# Altium PCB Thunderscope_Rev5.PCBDOC (part 2 of 7) (continued)
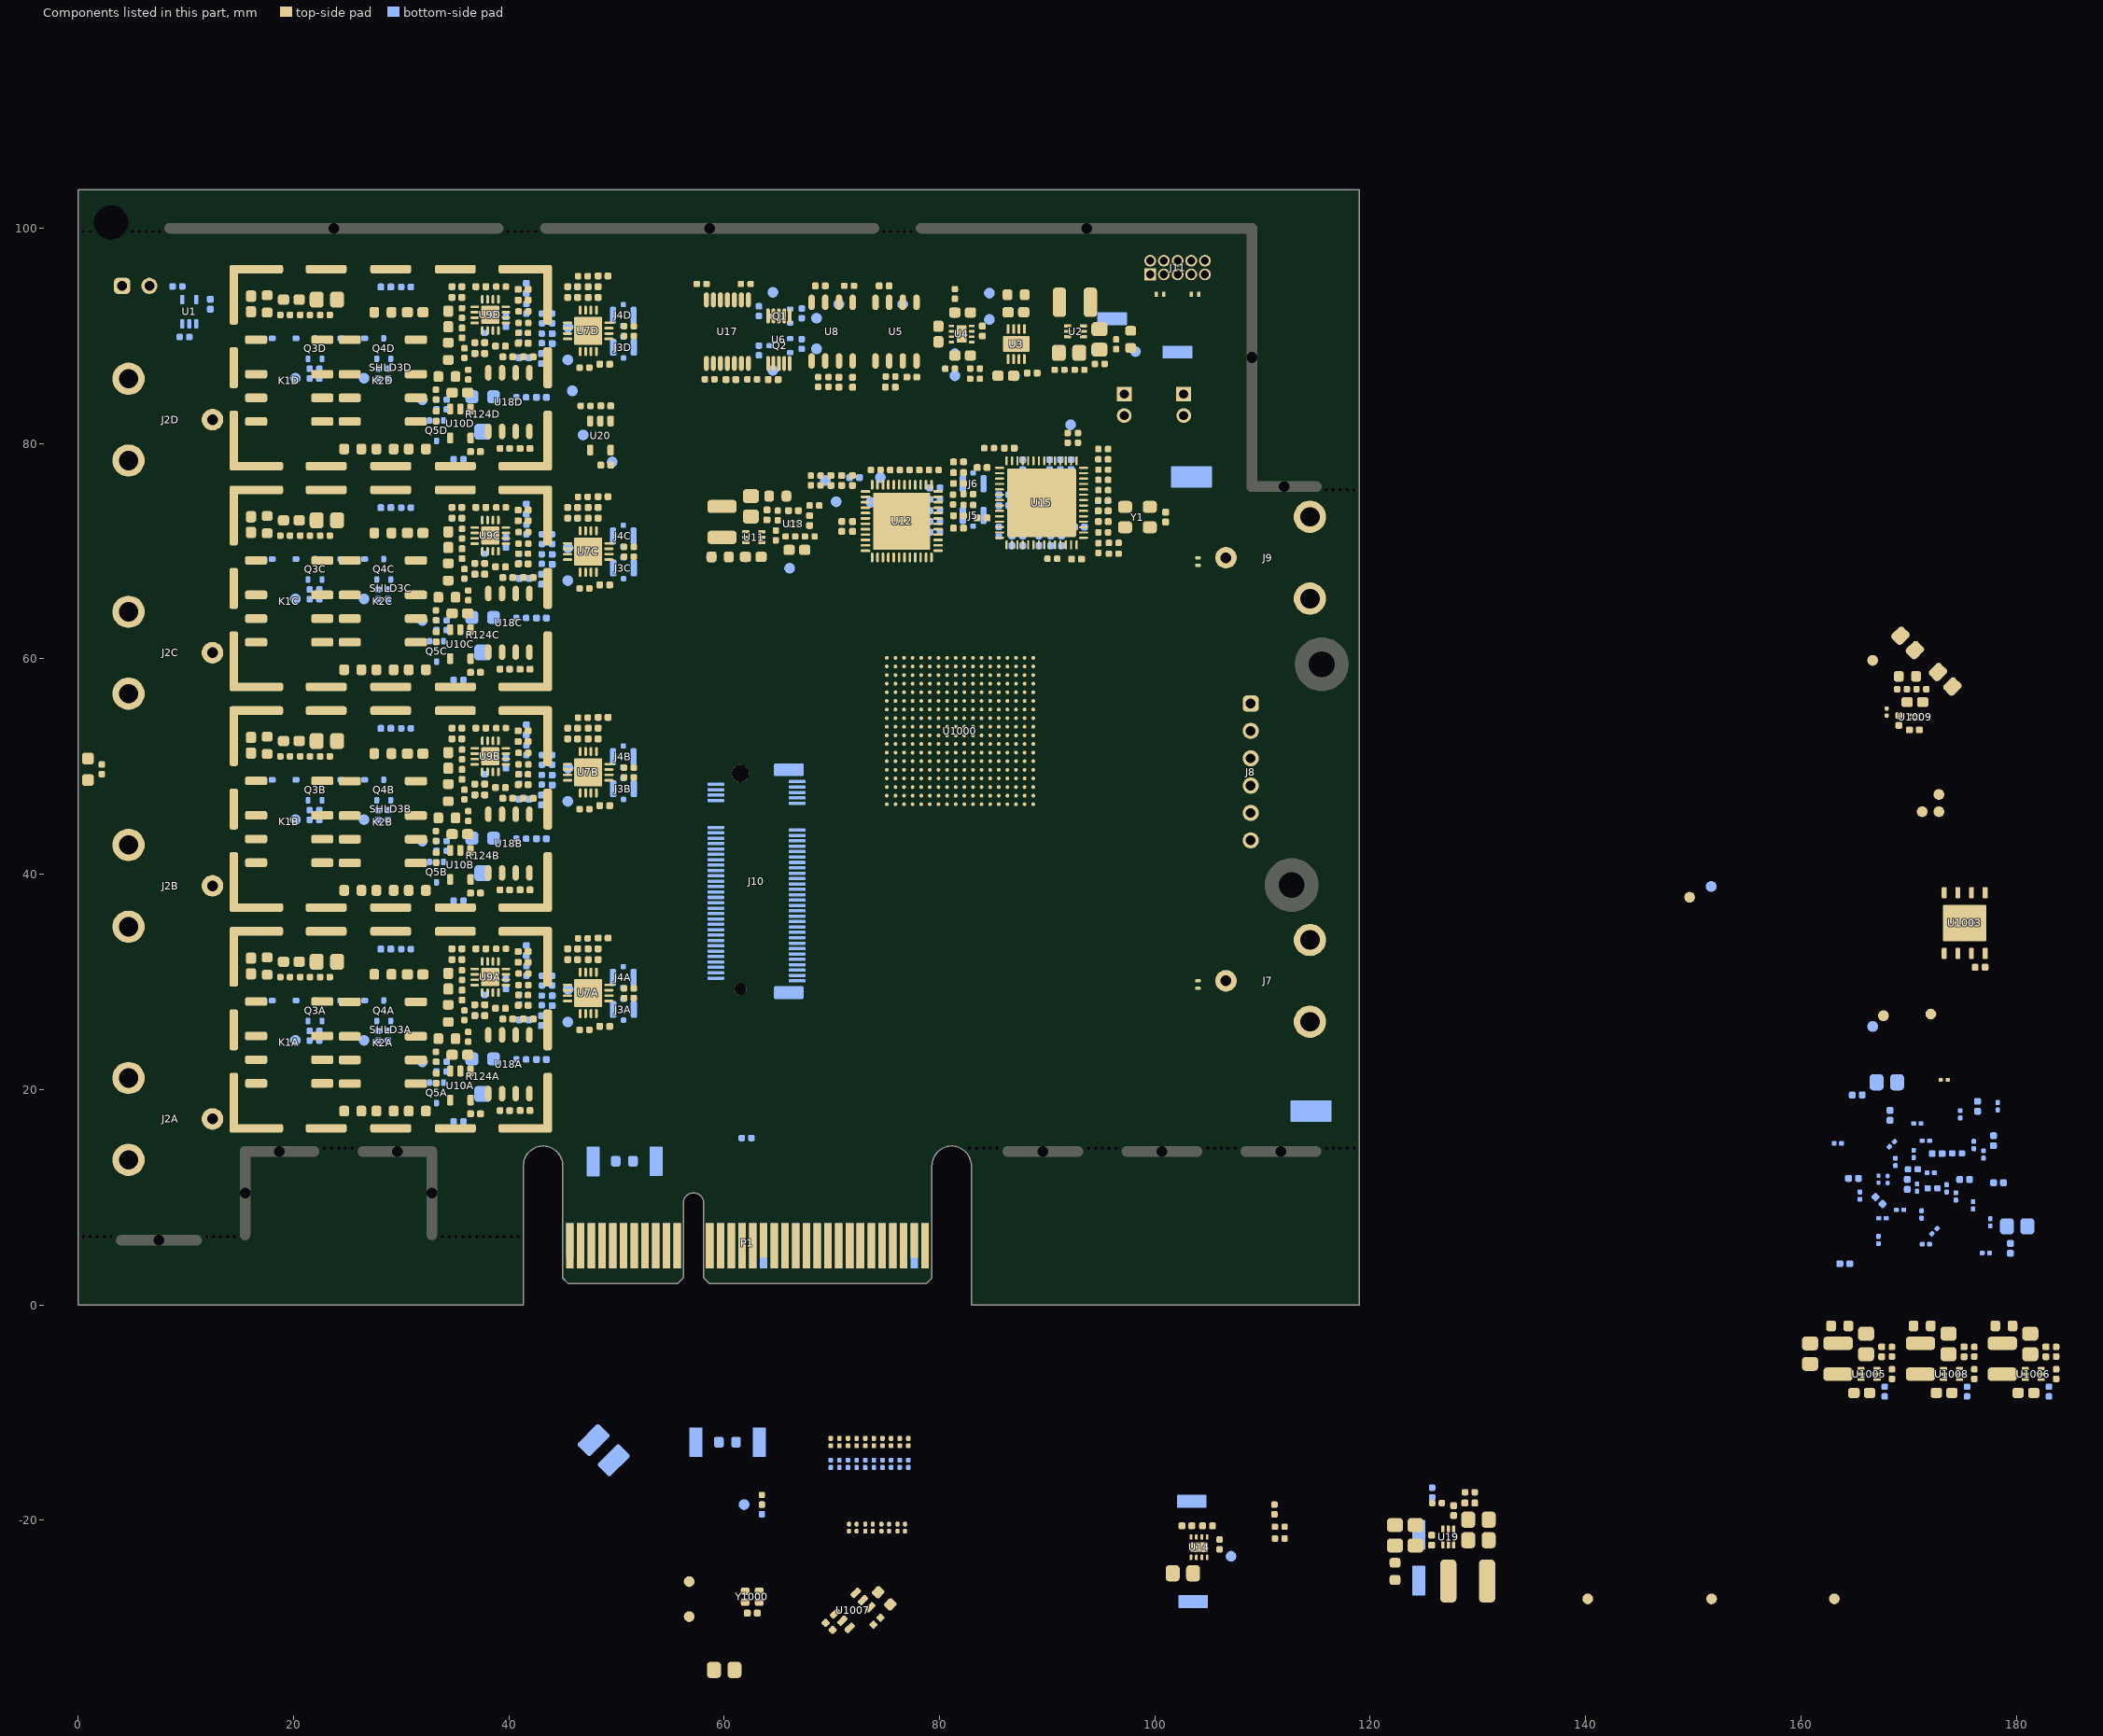
[diagram p6: the components of this part, seen from the top]
## Footprints (in the part's own frame and the unit in brackets; to place one, negate y for a bottom-side part, rotate by r counter-clockwise, add the part's x,y. Pads: shape width x height; smd on the part's side, far side on the other; paste and mask are expansions set on the pad) (continued)
  silkscreen extent -2.54,-1.27 2.54,1.27, body extent -11.18,-1.27 1.58,1.27, height 5.54
GEN_2.54MM_6_PIN_TH_RA [mm]
  rrect50% 1.5x1.5 hole 0.9: 1(-6.35,0)
  round 1.5 hole 0.9: 2(-3.81,0) 3(-1.27,0) 4(1.27,0) 5(3.81,0) 6(6.35,0)
  silkscreen extent -7.62,-1.27 7.62,1.27, body extent -7.62,-0.3 7.62,10.06, height 2.54
GEN_C_0201 [mm] "Chip Capacitor, 2-Leads, Body 0.60x0.30mm, IPC Medium Density"
  rrect50% 0.46x0.42 smd: 1(-0.34,0) 2(0.34,0)
  silkscreen extent -0.75,-0.4 0.75,0.4, body extent -0.32,-0.17 0.32,0.17, height 0.33
GEN_C_0402 [mm] "Chip Capacitor, 0402, IPC Medium Density"
  rrect50% 0.64x0.64 smd: 1(-0.46,0) 2(0.46,0)
  silkscreen extent -0.95,-0.5 0.95,0.5, body extent -0.55,-0.3 0.55,0.3, height 0.6
GEN_C_0603 [mm] "Chip Capacitor, 2-Leads, Body 1.60x0.80mm, IPC Medium Density"
  rrect50% 1.05x0.95 smd: 1(-0.725,0) 2(0.725,0)
  silkscreen extent -1.5,-0.75 1.5,0.75, body extent -0.85,-0.45 0.85,0.45, height 0.9
GEN_C_0805 [mm] "Chip Capacitor, 2-Leads, Body 2.00x1.25mm, IPC Medium Density"
  rrect50% 1.3x1.5 smd: 1(-0.95,0) 2(0.95,0)
  silkscreen extent -1.8,-0.95 1.8,0.95, body extent -1.1,-0.72 1.1,0.72, height 1.45
GEN_C_1210 [mm] "Chip Capacitor, 2-Leads, Body 3.20x2.50mm, IPC Medium Density"
  rrect25% 1.65x2.8 smd: 1(-1.325,0) 2(1.325,0)
  silkscreen extent -2.4,-1.65 2.4,1.65, body extent -1.8,-1.4 1.8,1.4, height 2.8
GEN_FID [mm]
  round 1 smd paste-1 mask+0.5: 1(0,0)
GEN_L_1210 [mm] "Chip Inductor, 2-Leads, Body 3.20x2.50mm, IPC Medium Density"
  rrect50% 1.23x2.72 smd: 1(-1.435,0) 2(1.435,0)
  silkscreen extent -2.3,-1.65 2.3,1.65, body extent -1.7,-1.35 1.7,1.35, height 1.2
GEN_R_0201 [mm] "Chip Resistor, 2-Leads, Body 0.60x0.30mm, IPC Medium Density"
  rrect50% 0.4x0.35 smd: 1(-0.325,0) 2(0.325,0)
  silkscreen extent -0.7,-0.35 0.7,0.35, body extent -0.32,-0.17 0.32,0.17, height 0.26
GEN_R_0402 [mm] "Chip Resistor, 2-Leads, Body 1.00x0.50mm, IPC Medium Density"
  rrect50% 0.6x0.6 smd: 1(-0.45,0) 2(0.45,0)
  silkscreen extent -0.92,-0.48 0.92,0.48, body extent -0.55,-0.3 0.55,0.3, height 0.4
GEN_R_0603 [mm]
  rrect50% 0.9x1 smd: 1(-0.8,0) 2(0.8,0)
  silkscreen extent -1.5,-0.75 1.5,0.75, body extent -0.9,-0.5 0.9,0.5, height 0.6
GEN_SC-70-5 [mm] "SOT23, 5-Leads, Body 2.00x2.10mm, Pitch 0.65mm, IPC Medium Density"
  rrect50% 0.85x0.4 smd: 1(-1.125,0.65) 2(-1.125,0) 3(-1.125,-0.65) 4(1.125,-0.65) 5(1.125,0.65)
  silkscreen extent -1.25,-1.1 0.3,1.53, body extent -1.2,-1.07 1.2,1.07, height 1.1
GEN_SOD_323 [mm]
  rrect50% 0.65x0.5 smd: 1(-1.1,0) 2(1.1,0)
  silkscreen extent -0.9,-0.65 0.9,0.65, body extent -1.26,-0.65 1.26,0.65, height 1.1
GEN_SOT23_5_950_2900X1600X1450 [mm] "SOT23, 5-Leads, Body 2.90x2.80mm, Pitch 0.95mm, IPC Medium Density"
  rrect50% 1x0.6 smd: 1(-1.35,0.95) 2(-1.35,0) 3(-1.35,-0.95) 4(1.35,-0.95) 5(1.35,0.95)
  silkscreen extent -1.47,-1.5 0.45,1.93, body extent -1.5,-1.5 1.5,1.5, height 1.45
GEN_SOT_323 [mm]
  rrect50% 0.47x0.6 smd: 1(0,0.95) 2(-0.65,-0.95) 3(0.65,-0.95)
  silkscreen extent -1.1,-0.7 1.1,0.7, body extent -1.23,-0.83 1.23,0.83, height 1.1
GEN_TP_PCB [mm]
  round 1 smd paste-1: 1(0,0)
JST_B2B-PH-K-S(LF)(SN) [mm]
  rect 1.368x1.368 hole 0.86: 1(1,-0.55)
  round 1.368 hole 0.86: 2(-1,-0.55)
  silkscreen extent -2.95,-2.25 3.7,2.25, body extent -2.95,-2.25 2.95,2.25, height 6
KEY_5015 [mm] "PC TEST POINT MICRO MINIATURE"
  rrect10% 2.75x1.2 smd: 1(0,0)
  body extent -1.56,-0.51 1.56,0.51, height 1.52
KEY_5019 [mm] "PC TEST POINT MINIATURE"
  rrect10% 3.8x2.03 smd: 1(0,0)
  body extent -1.91,-1 1.91,1.03, height 2.29
LED_0603_LTST-S270K [mm]
  rrect50% 1.1x1.1 smd: 1(-1,0) 2(1,0)
  silkscreen extent -0.2,-0.4 0.2,0.4, body extent -0.82,-0.33 0.82,0.82, height 0.6
MC_MSOP10_UN [mm] "TSSOP, 10-Leads, Body 3.00x3.00mm, Pitch 0.50mm, IPC Medium Density"
  oval 1.4x0.35 smd: 1(-2.2,1) 2(-2.2,0.5) 3(-2.2,0) 4(-2.2,-0.5) 5(-2.2,-1) 6(2.2,-1) 7(2.2,-0.5) 8(2.2,0) 9(2.2,0.5) 10(2.2,1)
  silkscreen extent -2.32,-1.5 1.1,1.85, body extent -2.45,-1.5 2.45,1.5, height 1.1
MC_QFN56_ZL30260 [mm] "QFN, 56-Leads, Body 8.00x8.00mm, Pitch 0.50mm, Thermal Pad 6.40x6.40mm, IPC Medium Density"
  oval 0.85x0.2 smd: 1(-3.9,3.25) 2(-3.9,2.75) 3(-3.9,2.25) 4(-3.9,1.75) 5(-3.9,1.25) 6(-3.9,0.75) 7(-3.9,0.25) 8(-3.9,-0.25) 9(-3.9,-0.75) 10(-3.9,-1.25) 11(-3.9,-1.75) 12(-3.9,-2.25) 13(-3.9,-2.75) 14(-3.9,-3.25) 29(3.9,-3.25) 30(3.9,-2.75) 31(3.9,-2.25) 32(3.9,-1.75) 33(3.9,-1.25) 34(3.9,-0.75) 35(3.9,-0.25) 36(3.9,0.25) 37(3.9,0.75) 38(3.9,1.25) 39(3.9,1.75) 40(3.9,2.25) 41(3.9,2.75) 42(3.9,3.25)
  oval 0.2x0.85 smd: 15(-3.25,-3.9) 16(-2.75,-3.9) 17(-2.25,-3.9) 18(-1.75,-3.9) 19(-1.25,-3.9) 20(-0.75,-3.9) 21(-0.25,-3.9) 22(0.25,-3.9) 23(0.75,-3.9) 24(1.25,-3.9) 25(1.75,-3.9) 26(2.25,-3.9) 27(2.75,-3.9) 28(3.25,-3.9) 43(3.25,3.9) 44(2.75,3.9) 45(2.25,3.9) 46(1.75,3.9) 47(1.25,3.9) 48(0.75,3.9) 49(0.25,3.9) 50(-0.25,3.9) 51(-0.75,3.9) 52(-1.25,3.9) 53(-1.75,3.9) 54(-2.25,3.9) 55(-2.75,3.9) 56(-3.25,3.9)
  rrect5% 6.4x6.4 smd paste-6.4: 57(0,0)
  silkscreen extent -4.92,-4.15 4.15,4.15, body extent -4,-4 4,4, height 1
MC_TSSOP14 [mm] "TSOP, 14-Leads, Body 5.00x4.40mm, Pitch 0.65mm, IPC Medium Density"
  oval 1.4x0.45 smd: 1(-2.95,1.95) 2(-2.95,1.3) 3(-2.95,0.65) 4(-2.95,0) 5(-2.95,-0.65) 6(-2.95,-1.3) 7(-2.95,-1.95) 8(2.95,-1.95) 9(2.95,-1.3) 10(2.95,-0.65) 11(2.95,0) 12(2.95,0.65) 13(2.95,1.3) 14(2.95,1.95)
  silkscreen extent -3.07,-2.55 1.85,2.85, body extent -3.2,-2.55 3.2,2.55, height 1.2
MOL_0731000105 [mm] "Molex BNC Jack, TH Right Angle"
  round 2 hole 1: 1(0,-3.9)
  round 3 hole 1.8: 2(-3.8,3.9) 2(3.8,3.9)
  silkscreen extent -4.8,-0.3 4.8,8.5, body extent -4.82,-4.08 4.82,21.48, height 9.14
MX_WSON8 [mm] "SON, 8-Leads, Body 5.00x6.00mm, Pitch 1.27mm, Thermal Pad 4.00x3.40mm, IPC Medium Density"
  rrect50% 1.05x0.45 smd: 1(-2.82,1.905) 2(-2.82,0.635) 3(-2.82,-0.635) 4(-2.82,-1.905) 5(2.82,-1.905) 6(2.82,-0.635) 7(2.82,0.635) 8(2.82,1.905)
  rrect5% 3.4x4 smd paste-1.7: 9(0,0)
  silkscreen extent -3.7,-2.7 3.2,2.9, body extent -3.05,-2.55 3.05,2.55, height 0.8
PCIeX4-GF-2D-1000-1K-O64 [mm] "Golden finger, PCIeX4, Dual, Opposite, Pitch 1mm, 64-Position"
  rect 0.7x3.2 smd far side paste-1: A1(-9.5,0.5)
  rect 0.7x4.2 smd far side paste-1: A2(-8.5,0) A3(-7.5,0) A4(-6.5,0) A5(-5.5,0) A6(-4.5,0) A7(-3.5,0) A8(-2.5,0) A9(-1.5,0) A10(-0.5,0) A11(0.5,0) A12(3.5,0) A13(4.5,0) A14(5.5,0) A15(6.5,0) A16(7.5,0) A17(8.5,0) A18(9.5,0) A19(10.5,0) A20(11.5,0) A21(12.5,0) A22(13.5,0) A23(14.5,0) A24(15.5,0) A25(16.5,0) A26(17.5,0) A27(18.5,0) A28(19.5,0) A29(20.5,0) A30(21.5,0) A31(22.5,0) A32(23.5,0)
  rect 0.7x4.2 smd paste-1: B1(-9.5,0) B2(-8.5,0) B3(-7.5,0) B4(-6.5,0) B5(-5.5,0) B6(-4.5,0) B7(-3.5,0) B8(-2.5,0) B9(-1.5,0) B10(-0.5,0) B11(0.5,0) B12(3.5,0) B13(4.5,0) B14(5.5,0) B15(6.5,0) B16(7.5,0) B18(9.5,0) B19(10.5,0) B20(11.5,0) B21(12.5,0) B22(13.5,0) B23(14.5,0) B24(15.5,0) B25(16.5,0) B26(17.5,0) B27(18.5,0) B28(19.5,0) B29(20.5,0) B30(21.5,0) B32(23.5,0)
  rect 0.7x3.2 smd paste-1: B17(8.5,0.5) B31(22.5,0.5)
ST_FlipChip6 [mil] "BGA, 6-Leads, Body 0.78x1.18mmx0.36mm, Pitch 0.40mm"
  round 11 smd paste+0 mask+0: A1(-7.88,15.75) A2(7.87,15.75) B1(-7.88,0) B2(7.88,0) C1(-7.87,-15.75) C2(7.88,-15.75)
  silkscreen extent -33,-31 24,41, body extent -16,-24 16,24, height 14
TE_2118728-2 [mm]
  rrect50% 0.8x5.55 smd: 1(-14.581,6.772) 1(-14.579,-6.772) 1(14.579,6.772) 1(14.581,-6.772)
  rrect50% 0.8x3.8 smd: 1(-14.579,0.003) 1(14.581,0.003)
  rrect50% 4.98x0.8 smd: 1(-12.491,9.147) 1(-12.489,-9.147) 1(12.489,9.147) 1(12.491,-9.147)
  rrect50% 3.8x0.8 smd: 1(-6.001,9.147) 1(-5.999,-9.147) 1(-0.001,9.147) 1(0.001,-9.147) 1(5.999,9.147) 1(6.001,-9.147)
  body extent -14.68,-9.25 14.68,9.25, height 7
TE_2334884-1 [mm]
  rrect50% 0.6x0.55 smd: 1(0,-0.975)
  rrect50% 0.58x1.58 smd: 2(-0.96,0) 2(0.96,0)
  rrect50% 0.5x0.5 smd: 2(0,1)
  silkscreen extent -1,-1 1,1.3, body extent -1,-1 1,1, height 0.6
TE_M2_KEYM_2199230 [mil]
  rrect50% 12x61 smd paste+0 mask+0: 1(-364.17,148.62) 2(-354.33,-148.62) 3(-344.49,148.62) 4(-334.65,-148.62) 5(-324.8,148.62) 6(-314.96,-148.62) 7(-305.12,148.62) 8(-295.28,-148.62) 9(-285.43,148.62) 10(-275.59,-148.62) 11(-265.75,148.62) 12(-255.91,-148.62) 13(-246.06,148.62) 14(-236.22,-148.62) 15(-226.38,148.62) 16(-216.54,-148.62) 17(-206.69,148.62) 18(-196.85,-148.62) 19(-187.01,148.62) 20(-177.17,-148.62) 21(-167.32,148.62) 22(-157.48,-148.62) 23(-147.64,148.62) 24(-137.8,-148.62) 25(-127.95,148.62) 26(-118.11,-148.62) 27(-108.27,148.62) 28(-98.43,-148.62) 29(-88.58,148.62) 30(-78.74,-148.62) 31(-68.9,148.62) 32(-59.06,-148.62) 33(-49.21,148.62) 34(-39.37,-148.62) 35(-29.53,148.62) 36(-19.69,-148.62) 37(-9.84,148.62) 38(0,-148.62) 39(9.84,148.62) 40(19.69,-148.62) 41(29.53,148.62) 42(39.37,-148.62) 43(49.21,148.62) 44(59.06,-148.62) 45(68.9,148.62) 46(78.74,-148.62) 47(88.58,148.62) 48(98.43,-148.62) 49(108.27,148.62) 50(118.11,-148.62) 51(127.95,148.62) 52(137.8,-148.62) 53(147.64,148.62) 54(157.48,-148.62) 55(167.32,148.62) 56(177.17,-148.62) 57(187.01,148.62) 58(196.85,-148.62) 67(285.43,148.62) 68(295.28,-148.62) 69(305.12,148.62) 70(314.96,-148.62) 71(324.8,148.62) 72(334.65,-148.62) 73(344.49,148.62) 74(354.33,-148.62) 75(364.17,148.62)
  rrect20% 47x108 smd: 76(-407.48,118.11) 77(407.48,118.11)
  round 43 hole 43 unplated: 78(-393.7,-59.06)
  round 63 hole 63 unplated: 79(393.7,-59.06)
  silkscreen extent -436,-177 436,239, body extent -431,-171 431,171, height 161
TI_SOIC8_D0008A [mm] "SOIC, 8-Leads, Body 4.91x3.90mm, Pitch 1.27mm, Height 1.75mm, IPC Medium Density"
  oval 1.45x0.6 smd: 1(-2.725,1.905) 2(-2.725,0.635) 3(-2.725,-0.635) 4(-2.725,-1.905) 5(2.725,-1.905) 6(2.725,-0.635) 7(2.725,0.635) 8(2.725,1.905)
  silkscreen extent -2.85,-2.5 1.6,2.88, body extent -3,-2.5 3,2.5, height 1.75
TI_SOT563_DRL0006A [mm] "SOTFL, 6-Leads, Body 1.60x1.60mm, Pitch 0.50mm, IPC Medium Density"
  rrect50% 0.67x0.3 smd: 1(-0.74,0.5) 2(-0.74,0) 3(-0.74,-0.5) 4(0.74,-0.5) 5(0.74,0) 6(0.74,0.5)
  silkscreen extent -0.83,-0.85 0.65,1.2, body extent -0.8,-0.85 0.8,0.85, height 0.6
TI_VQFN_RGT0016C [mm] "QFN, 16-Leads, Body 3.00x3.00mm, Pitch 0.50mm, Thermal Pad 1.68x1.68mm, IPC Medium Density"
  oval 0.8x0.25 smd: 1(-1.45,0.75) 2(-1.45,0.25) 3(-1.45,-0.25) 4(-1.45,-0.75) 9(1.45,-0.75) 10(1.45,-0.25) 11(1.45,0.25) 12(1.45,0.75)
  oval 0.25x0.8 smd: 5(-0.75,-1.45) 6(-0.25,-1.45) 7(0.25,-1.45) 8(0.75,-1.45) 13(0.75,1.45) 14(0.25,1.45) 15(-0.25,1.45) 16(-0.75,1.45)
  rrect10% 1.68x1.68 smd paste-0.1: 17(0,0)
  silkscreen extent -2.47,-1.7 1.7,1.7, body extent -1.55,-1.55 1.55,1.55, height 1
TI_WQFN_RGH0016A [mm] "QFN, 16-Leads, Body 4.00x4.00mm, Pitch 0.50mm, Thermal Pad 2.60x2.60mm, IPC Medium Density"
  oval 0.85x0.25 smd: 1(-1.925,0.75) 2(-1.925,0.25) 3(-1.925,-0.25) 4(-1.925,-0.75) 9(1.925,-0.75) 10(1.925,-0.25) 11(1.925,0.25) 12(1.925,0.75)
  oval 0.25x0.85 smd: 5(-0.75,-1.925) 6(-0.25,-1.925) 7(0.25,-1.925) 8(0.75,-1.925) 13(0.75,1.925) 14(0.25,1.925) 15(-0.25,1.925) 16(-0.75,1.925)
  rrect5% 2.6x2.6 smd paste-1.3: 17(0,0)
  silkscreen extent -2.97,-2.2 2.2,2.2, body extent -2.05,-2.05 2.05,2.05, height 0.8
TI_WSON8_DSG0008A [mm] "SON, 8-Leads, Body 2.00x2.00mm, Pitch 0.50mm, Thermal Pad 1.60x0.69mm, IPC Medium Density"
  rrect50% 0.5x0.25 smd: 1(-0.95,0.75) 2(-0.95,0.25) 3(-0.95,-0.25) 4(-0.95,-0.75) 5(0.95,-0.75) 6(0.95,-0.25) 7(0.95,0.25) 8(0.95,0.75)
  rrect10% 0.9x1.6 smd paste-0.9: 9(0,0)
  silkscreen extent -1.35,-1.2 1.05,1.25, body extent -1.05,-1.05 1.05,1.05, height 0.8
TI_X1SON_DPY0002A [mm] "Chip Resistor, 2-Leads, Body 1.00x0.50mm, IPC Medium Density"
  rrect50% 0.3x0.5 smd: 1(-0.35,0) 2(0.35,0)
  body extent -0.55,-0.35 0.55,0.35, height 0.45
TY_IND_NRS5030 [mm] "Precision Wire Wound Inductor, 2-Leads, Body 4.90x4.90mm, IPC Medium Density"
  rrect50% 1.5x4 smd: 1(-1.8,0) 2(1.8,0)
  silkscreen extent -2.55,-2.55 2.55,2.55, body extent -2.55,-2.45 2.55,2.45, height 3.2
VISH_TSOT6 [mm] "SOT23, 6-Leads, Body 2.98x2.84mm, Pitch 0.95mm, IPC Medium Density"
  rrect50% 1x0.55 smd: 1(-1.35,0.95) 2(-1.35,0) 3(-1.35,-0.95) 4(1.35,-0.95) 5(1.35,0) 6(1.35,0.95)
  silkscreen extent -1.46,-1.55 0.45,1.73, body extent -1.49,-1.55 1.49,1.55, height 1.1
XILINX_XC7A50T-2CSG325C [mm] "BGA, 324-Balls, Body 15x15mm, Pitch 0.8mm"
  round 0.35 smd: A1(-6.8,6.8) A2(-6,6.8) A3(-5.2,6.8) A4(-4.4,6.8) A5(-3.6,6.8) A6(-2.8,6.8) A7(-2,6.8) A8(-1.2,6.8) A9(-0.4,6.8) A10(0.4,6.8) A11(1.2,6.8) A12(2,6.8) A13(2.8,6.8) A14(3.6,6.8) A15(4.4,6.8) A16(5.2,6.8) A17(6,6.8) A18(6.8,6.8) B1(-6.8,6) B2(-6,6) B3(-5.2,6) B4(-4.4,6) B5(-3.6,6) B6(-2.8,6) B7(-2,6) B8(-1.2,6) B9(-0.4,6) B10(0.4,6) B11(1.2,6) B12(2,6) B13(2.8,6) B14(3.6,6) B15(4.4,6) B16(5.2,6) B17(6,6) B18(6.8,6) C1(-6.8,5.2) C2(-6,5.2) C3(-5.2,5.2) C4(-4.4,5.2) C5(-3.6,5.2) C6(-2.8,5.2) C7(-2,5.2) C8(-1.2,5.2) C9(-0.4,5.2) C10(0.4,5.2) C11(1.2,5.2) C12(2,5.2) C13(2.8,5.2) C14(3.6,5.2) C15(4.4,5.2) C16(5.2,5.2) C17(6,5.2) C18(6.8,5.2) D1(-6.8,4.4) D2(-6,4.4) D3(-5.2,4.4) D4(-4.4,4.4) D5(-3.6,4.4) D6(-2.8,4.4) D7(-2,4.4) D8(-1.2,4.4) D9(-0.4,4.4) D10(0.4,4.4) D11(1.2,4.4) D12(2,4.4) D13(2.8,4.4) D14(3.6,4.4) D15(4.4,4.4) D16(5.2,4.4) D17(6,4.4) D18(6.8,4.4) E1(-6.8,3.6) E2(-6,3.6) E3(-5.2,3.6) E4(-4.4,3.6) E5(-3.6,3.6) E6(-2.8,3.6) E7(-2,3.6) E8(-1.2,3.6) E9(-0.4,3.6) E10(0.4,3.6) E11(1.2,3.6) E12(2,3.6) E13(2.8,3.6) E14(3.6,3.6) E15(4.4,3.6) E16(5.2,3.6) E17(6,3.6) E18(6.8,3.6) F1(-6.8,2.8) F2(-6,2.8) F3(-5.2,2.8) F4(-4.4,2.8) F5(-3.6,2.8) F6(-2.8,2.8) F7(-2,2.8) F8(-1.2,2.8) F9(-0.4,2.8) F10(0.4,2.8) F11(1.2,2.8) F12(2,2.8) F13(2.8,2.8) F14(3.6,2.8) F15(4.4,2.8) F16(5.2,2.8) F17(6,2.8) F18(6.8,2.8) G1(-6.8,2) G2(-6,2) G3(-5.2,2) G4(-4.4,2) G5(-3.6,2) G6(-2.8,2) G7(-2,2) G8(-1.2,2) G9(-0.4,2) G10(0.4,2) G11(1.2,2) G12(2,2) G13(2.8,2) G14(3.6,2) G15(4.4,2) G16(5.2,2) G17(6,2) G18(6.8,2) H1(-6.8,1.2) H2(-6,1.2) H3(-5.2,1.2) H4(-4.4,1.2) H5(-3.6,1.2) H6(-2.8,1.2) H7(-2,1.2) H8(-1.2,1.2) H9(-0.4,1.2) H10(0.4,1.2) H11(1.2,1.2) H12(2,1.2) H13(2.8,1.2) H14(3.6,1.2) H15(4.4,1.2) H16(5.2,1.2) H17(6,1.2) H18(6.8,1.2) J1(-6.8,0.4) J2(-6,0.4) J3(-5.2,0.4) J4(-4.4,0.4) J5(-3.6,0.4) J6(-2.8,0.4) J7(-2,0.4) J8(-1.2,0.4) J9(-0.4,0.4) J10(0.4,0.4) J11(1.2,0.4) J12(2,0.4) J13(2.8,0.4) J14(3.6,0.4) J15(4.4,0.4) J16(5.2,0.4) J17(6,0.4) J18(6.8,0.4) K1(-6.8,-0.4) K2(-6,-0.4) K3(-5.2,-0.4) K4(-4.4,-0.4) K5(-3.6,-0.4) K6(-2.8,-0.4) K7(-2,-0.4) K8(-1.2,-0.4) K9(-0.4,-0.4) K10(0.4,-0.4) K11(1.2,-0.4) K12(2,-0.4) K13(2.8,-0.4) K14(3.6,-0.4) K15(4.4,-0.4) K16(5.2,-0.4) K17(6,-0.4) K18(6.8,-0.4) L1(-6.8,-1.2) L2(-6,-1.2) L3(-5.2,-1.2) L4(-4.4,-1.2) L5(-3.6,-1.2) L6(-2.8,-1.2) L7(-2,-1.2) L8(-1.2,-1.2) L9(-0.4,-1.2) L10(0.4,-1.2) L11(1.2,-1.2) L12(2,-1.2) L13(2.8,-1.2) L14(3.6,-1.2) L15(4.4,-1.2) L16(5.2,-1.2) L17(6,-1.2) L18(6.8,-1.2) M1(-6.8,-2) M2(-6,-2) M3(-5.2,-2) M4(-4.4,-2) M5(-3.6,-2) M6(-2.8,-2) M7(-2,-2) M8(-1.2,-2) M9(-0.4,-2) M10(0.4,-2) M11(1.2,-2) M12(2,-2) M13(2.8,-2) M14(3.6,-2) M15(4.4,-2) M16(5.2,-2) M17(6,-2) M18(6.8,-2) N1(-6.8,-2.8) N2(-6,-2.8) N3(-5.2,-2.8) N4(-4.4,-2.8) N5(-3.6,-2.8) N6(-2.8,-2.8) N7(-2,-2.8) N8(-1.2,-2.8) N9(-0.4,-2.8) N10(0.4,-2.8) N11(1.2,-2.8) N12(2,-2.8) N13(2.8,-2.8) N14(3.6,-2.8) N15(4.4,-2.8) N16(5.2,-2.8) N17(6,-2.8) N18(6.8,-2.8) P1(-6.8,-3.6) P2(-6,-3.6) P3(-5.2,-3.6) P4(-4.4,-3.6) P5(-3.6,-3.6) P6(-2.8,-3.6) P7(-2,-3.6) P8(-1.2,-3.6) P9(-0.4,-3.6) P10(0.4,-3.6) P11(1.2,-3.6) P12(2,-3.6) P13(2.8,-3.6) P14(3.6,-3.6) P15(4.4,-3.6) P16(5.2,-3.6) P17(6,-3.6) P18(6.8,-3.6) R1(-6.8,-4.4) R2(-6,-4.4) R3(-5.2,-4.4) R4(-4.4,-4.4) R5(-3.6,-4.4) R6(-2.8,-4.4) R7(-2,-4.4) R8(-1.2,-4.4) R9(-0.4,-4.4) R10(0.4,-4.4) R11(1.2,-4.4) R12(2,-4.4) R13(2.8,-4.4) R14(3.6,-4.4) R15(4.4,-4.4) R16(5.2,-4.4) R17(6,-4.4) R18(6.8,-4.4) T1(-6.8,-5.2) T2(-6,-5.2) T3(-5.2,-5.2) T4(-4.4,-5.2) T5(-3.6,-5.2) T6(-2.8,-5.2) T7(-2,-5.2) T8(-1.2,-5.2) T9(-0.4,-5.2) T10(0.4,-5.2) T11(1.2,-5.2) T12(2,-5.2) T13(2.8,-5.2) T14(3.6,-5.2) T15(4.4,-5.2) T16(5.2,-5.2) T17(6,-5.2) T18(6.8,-5.2) U1(-6.8,-6) U2(-6,-6) U3(-5.2,-6) U4(-4.4,-6) U5(-3.6,-6) U6(-2.8,-6) U7(-2,-6) U8(-1.2,-6) U9(-0.4,-6) U10(0.4,-6) U11(1.2,-6) U12(2,-6) U13(2.8,-6) U14(3.6,-6) U15(4.4,-6) U16(5.2,-6) U17(6,-6) U18(6.8,-6) V1(-6.8,-6.8) V2(-6,-6.8) V3(-5.2,-6.8) V4(-4.4,-6.8) V5(-3.6,-6.8) V6(-2.8,-6.8) V7(-2,-6.8) V8(-1.2,-6.8) V9(-0.4,-6.8) V10(0.4,-6.8) V11(1.2,-6.8) V12(2,-6.8) V13(2.8,-6.8) V14(3.6,-6.8) V15(4.4,-6.8) V16(5.2,-6.8) V17(6,-6.8) V18(6.8,-6.8)
  silkscreen extent -8.27,-7.5 7.5,7.5, body extent -7.5,-7.5 7.5,7.5, height 1.5

## Part data
C1 C12 C13 C14 C17 C18 C19 C28A C28B C28C C28D C31A C31B C31C C31D C34A C34B C34C C34D C36A C36B C36C C36D C37A C37B C37C C37D C39A C39B C39C C39D C59 C63A C63B C63C C63D C64A C64B C64C C64D C78A C78B C78C C78D C98 C99 C100 C101A C101B C101C C101D C107 C108A C108B C108C C108D C109A C109B C109C C109D C110A C110B C110C C110D C117 C121 C124A C124B C124C C124D C127A C127B C127C C127D C128A C128B C128C C128D C129A C129B C129C C129D C130A C130B C130C C130D C131A C131B C131C C131D C134 C1000 C1028 C1077 C1084: library part "CAP 100nF 16V X7R 0402", House Part Number=C-100nF-0402-002, Manufacturer=Murata, Manufacturer Part Number=GCM155R71C104KA55D, Package=0402, Supplier Part Number 1=81-GCM155R71C104KA5D, Voltage Rating=16V, Supplier 1=Mouser
C2 C3 C53 C91 C119 C120 C122 C123 C1073 C1074 C1079 C1083: library part "CAP 22uF 25V X5R 0805", House Part Number=C-22uF-0805-002, Manufacturer=Murata, Manufacturer Part Number=GRM21BR61E226ME44L, Package=0805, Supplier Part Number 1=81-GRM21BR61E226ME4L, Voltage Rating=25V, Supplier 1=Mouser
C4 C32A C32B C32C C32D C45 C46 C56: library part "CAP 1nF 50V C0G 0402", Manufacturer=Murata, Manufacturer Part Number=GRM1555C1H102FA01D, Package=0402, Supplier Part Number 1=81-GRM1555C1H102FA1D, Voltage Rating=50V, Supplier 1=Mouser
C5 C6 C7 C8 C11 C52 C60 C1072 C1078 C1081 C1082: library part "CAP 10uF 10V X5R 0603", House Part Number=C-10uF-0603-002, Manufacturer=Murata, Manufacturer Part Number=GRM188R61A106ME69D, Package=0402, Supplier Part Number 1=81-GRM188R61A106ME9D, Voltage Rating=10V, Supplier 1=Mouser
C9 C35A C35B C35C C35D C41 C42 C49 C50 C54 C58 C82 C83 C84 C85 C86 C87 C88 C89 C90 C92 C93 C94 C95 C112 C113 C114 C115 C116 C125 C126 C132A C132B C132C C132D: library part "CAP 1uF 25V X5R 0402", Manufacturer=Murata, Manufacturer Part Number=GRM155R61E105KA12D, Package=0402, Supplier Part Number 1=81-GRM155R61E105KA2D, Voltage Rating=25V, Supplier 1=Mouser
C10 C33A C33B C33C C33D C43 C44 C47 C48 C55 C57: library part "CAP 10nF 50V X7R 0402", House Part Number=C-10nF-0402-002, Manufacturer=Murata, Manufacturer Part Number=GRM155R71H103KA88J, Package=0402, Supplier Part Number 1=81-GRM155R71H103KA8J, Voltage Rating=50V, Supplier 1=Mouser
C15 C16 C40 C62 C65 C66 C67 C68 C69 C70 C71 C72 C73 C74 C75 C76 C77 C79 C80 C81 C1066 C1067 C1068 C1069: library part "CAP 100nF 6.3V X5R 0201", House Part Number=C-100nF-0201-002, Manufacturer=Murata, Manufacturer Part Number=GRM033R60J104KE19D, Package=0201, Supplier Part Number 1=81-GRM033R60J104KE19, Voltage Rating=6.3V, Supplier 1=Mouser
C20A C20B C20C C20D C22A C22B C22C C22D: library part "CAP 2pF 250V C0G 0603", Manufacturer=KEMET, Manufacturer Part Number=CBR06C309BAGAC, Package=0603, Supplier Part Number 1=80-CBR06C209BAG, Voltage Rating=250V, Supplier 1=Mouser
C21A C21B C21C C21D: library part "CAP 5.1pF 250V C0G 0603", Manufacturer=KEMET, Manufacturer Part Number=CBR06C519BAGAC, Package=0603, Supplier Part Number 1=80-CBR06C519BAGAC, Voltage Rating=250V, Supplier 1=Mouser
C23A C23B C23C C23D: library part "CAP 240pF 250V C0G 0805", Manufacturer="Kyocera AVX", Manufacturer Part Number=600F241FT250XT, Package=0805, Supplier Part Number 1=581-600F241FT, Temperature Coefficient=C0G, Voltage Rating=250V, Supplier 1=Mouser
C26A C26B C26C C26D C27A C27B C27C C27D: library part "CAP 22nF 100V X7R 0603", Manufacturer=Murata, Manufacturer Part Number=GCM188R72A223KA37D, Package=0603, Supplier Part Number 1=81-GCM188R72A223KA7D, Voltage Rating=100V, Supplier 1=Mouser
C29A C29B C29C C29D C30A C30B C30C C30D: library part "CAP 100pF 50V C0G 0402", Manufacturer=Murata, Manufacturer Part Number=GCM1555C1H101FA16D, Package=0402, Supplier Part Number 1=81-GCM1555C1H101FA6D, Temperature Coefficient=C0G, Voltage Rating=50V, Supplier 1=Mouser
C38A C38B C38C C38D C61 C102A C102B C102C C102D C111A C111B C111C C111D C133A C133B C133C C133D: library part "CAP 2.2uF 10V X5R 0402", Manufacturer="Taiyo Yuden", Manufacturer Part Number=LMK105BJ225MV-F, Package=0402, Supplier Part Number 1=963-LMK105BJ225MV-F, Voltage Rating=10V, Supplier 1=Mouser
C51 C118 C1071 C1075 C1080: library part "CAP 39pF 50V C0G 0402", House Part Number=C-39pF-0402-002, Manufacturer=KEMET, Manufacturer Part Number=C0402C390J5GACTU, Package=0402, Supplier Part Number 1=80-C0402C390J5G, Temperature Coefficient=C0G, Voltage Rating=50V, Supplier 1=Mouser
C96 C97 C103 C104 FB4A FB4B FB4C FB4D FB6A FB6B FB6C FB6D R1 R52A R52B R52C R52D R56A R56B R56C R56D R86 R88 R97A R97B R97C R97D R106 R107 R108 R109 R120A R120B R120C R120D: library part "RES 0 OHM 1/16W 0402", Manufacturer=Yageo, Manufacturer Part Number=RC0402JR-070RL, Package=0402, Supplier Part Number 1=603-RC0402JR-070RL, Supplier 1=Mouser
C1029 C1042 C1049 C1050 C1058: library part "CAP 47uF 6.3V X5R 0805", House Part Number=C-47uF-0805-002, Manufacturer=Samsung, Manufacturer Part Number=CL21A476MQYNNNE, Package=0805, Supplier Part Number 1=187-CL32A226KPJNNNE, Voltage Rating=6.3V, Supplier 1=Mouser
C1030 C1031 C1040 C1041 C1043 C1044 C1055 C1056 C1059 C1060 C1065 C1070 C1076 C1085: library part "CAP 4.7uF 6.3V X5R 0402", House Part Number=C-4.7uF-0402-002, Manufacturer=Murata, Manufacturer Part Number=GRM155R60J475ME47D, Package=0402, Supplier Part Number 1=81-GRM155R60J475ME7D, Voltage Rating=6.3V, Supplier 1=Mouser
C1032 C1033 C1034 C1035 C1036 C1037 C1038 C1039 C1045 C1046 C1047 C1048 C1051 C1052 C1053 C1054 C1061 C1062 C1063 C1064: library part "CAP 470nF 6.3V X5R 0201", House Part Number=C-470nF-0201-002, Manufacturer=Murata, Manufacturer Part Number=GRM033R60J474KE90D, Package=0201, Supplier Part Number 1=81-GRM33R60J474KE90D, Voltage Rating=6.3V, Supplier 1=Mouser
C1057: library part "CAP 100uF 6.3V X5R 1210", House Part Number=C-100uF-1210-002, Manufacturer=Samsung, Manufacturer Part Number=CL32A107MQVNNNE, Package=1210, Supplier Part Number 1=187-CL32A107MQVNNNE, Voltage Rating=6.3V, Supplier 1=Mouser
D1: library part "LED GREEN 0603 LTST-S270K", Manufacturer="Vishay Lite-On", Manufacturer Part Number=LTST-S270KGKT, Supplier Part Number 1=859-LTST-S270KGKT, Supplier 1=Mouser
D2A D2B D2C D2D D3A D3B D3C D3D: library part "DIODE 1N4148", Manufacturer=Diodes, Manufacturer Part Number=1N4148WS-7-F, Supplier Part Number 1=621-1N4148WS-F, Supplier 1=Mouser
D4 D5 D6 D7: library part "TVS TPD1E1B04", Manufacturer="Texas Instruments", Manufacturer Part Number=TPD1E1B04DPYR, Supplier 1="Texas Instruments", Supplier Part Number 1=TPD1E1B04DPYR
FB1 FB2 FB3 FB5 FB7A FB7B FB7C FB7D FB8A FB8B FB8C FB8D FB9A FB9B FB9C FB9D FB10A FB10B FB10C FB10D FB1000 FB1001 FB1002: library part "FERRITE BEAD 120 OHM 0402", House Part Number=BLM15PX121SN1D, Manufacturer=Murata, Supplier Part Number 1=81-BLM15PX121SN1D, Manufacturer Part Number=BLM15PX121SN1D, Supplier 1=Mouser
FID1000 FID1001 FID1002 FID1003 FID1004 FID1005 FID1006 FID1007: library part "FID 1mm", House Part Number=Fiducial-1
J1: library part "CONN 2.54mm 2 Pin TH RA", Manufacturer=Samtec, Supplier Part Number 1=200-TSW10108FDRA, Manufacturer Part Number=TSW-101-08-F-D-RA, Supplier 1=Mouser
J2A J2B J2C J2D J7 J9: library part "BNC JACK R/A", Manufacturer=Molex, Manufacturer Part Number=73100-0105, Supplier Part Number 1=538-73100-0105, Supplier 1=Mouser
J3A J3B J3C J3D J4A J4B J4C J4D J5 J6: library part "UFL Jack SMD", Manufacturer="TE Connectivity", Manufacturer Part Number=2334884-1, Supplier Part Number 1=571-2334884-1, Supplier 1=Mouser
J8: library part "CONN 2.54mm 6 Pin TH RA", Manufacturer="Wurth Electronics", Manufacturer Part Number=61300611021, Supplier Part Number 1=710-61300611021, Supplier 1=Mouser
J10: library part "CONN M.2 Key M FEMALE", Manufacturer="TE Connectivity", Manufacturer Part Number=1-2199230-5, Supplier Part Number 1=571-1-2199230-5, Supplier 1=Mouser
J11: library part "CONN 1.27mm 2x5 Pin TH RA", Manufacturer="CNC Tech", Manufacturer Part Number=3220-10-0200-00, Supplier Part Number 1=1175-1628-ND, Supplier 1=Digi-Key
J12 J13: library part "CONN JST PH 2 Pin TH", Manufacturer=JST, Manufacturer Part Number=B2B-PH-K-S-LF-SN, Supplier Part Number 1=455-1704-ND, Supplier 1=Digi-Key
K1A K1B K1C K1D K2A K2B K2C K2D: library part "RELAY DPDT-NO FTR-B3SA4.5Z", Manufacturer=Fujitsu, Supplier Part Number 1=817-FTRB3SA4.5Z-B10, Manufacturer Part Number=FTR-B3SA4.5Z, Supplier 1=Mouser
L1 L2: library part "IND 1uH 3.1A 45 MOHM 1210", Manufacturer=Murata, Manufacturer Part Number=1277AS-H-1R0M=P2, Supplier Part Number 1=81-1277AS-H-1R0MP2, Supplier 1=Mouser
L3: library part "IND 4.7uH 2.6A 35 MOHM SMD", Manufacturer="Taiyo Yuden", Manufacturer Part Number=NRS5030T4R7MMGJ, Supplier Part Number 1=963-NRS5030T4R7MMGJ, Supplier 1=Mouser
L1000 L1001 L1002: library part "IND 1uH 5.5A 32 MOHM 1210", House Part Number=SRP3212-1R0M, Manufacturer=Bourns, Supplier Part Number 1=652-SRP3212-1R0M, Manufacturer Part Number=SRP3212-1R0M, Supplier 1=Mouser
P1: library part CMP-0001-00031-2, "Golden finger, PCIeX4, Dual, Opposite, Pitch 1mm, 64-Position", ClassName="Edge Connector", Datasheet Version="rev2.0, Apr-2007", Mating Connector=Molex-87715-9106, Package Reference=PCIeX4-GF-2D-1000-1K-O64, Publisher=Altium
Q1 Q2 Q3A Q3B Q3C Q3D Q4A Q4B Q4C Q4D Q5A Q5B Q5C Q5D: library part "NMOS DMN62D0UW", House Part Number=DMN62D0UW-7, Manufacturer=Diodes, Supplier Part Number 1=621-DMN62D0UW-7, Manufacturer Part Number=DMN62D0UW-7, Supplier 1=Mouser, Vdss=60V
R2 R6 R14 R16 R20 R21 R22 R23 R24 R25 R38 R42 R44 R46 R47A R47B R47C R47D R48A R48B R48C R48D R49A R49B R49C R49D R50A R50B R50C R50D R51A R51B R51C R51D R89 R90 R91 R110 R114 R115 R121A R121B R121C R121D R125A R125B R125C R125D R126A R126B R126C R126D R127A R127B R127C R127D: library part "RES 10K OHM 1% 1/10W 0402", Manufacturer=Panasonic, Manufacturer Part Number=ERJ-2RKF1002X, Package=0402, Supplier Part Number 1=667-ERJ-2RKF1002X, Tolerance=1%, Supplier 1=Mouser
R3 R7 R36 R58 R87 R95 R116 R1046 R1050 R1051 R1055 R1056: library part "RES 0.01 OHM 1% 1/4W 0603", House Part Number=R-0.01-0603-1%-001, Manufacturer=Susumu, Manufacturer Part Number=RL0816T-R010-F, Package=0603, Supplier Part Number 1=754-RL0816T-R010-F, Tolerance=1%, Supplier 1=Mouser
R8 R9 R117: library part "RES 0.1 OHM 1% 1/6W 0402", Manufacturer=Panasonic, Manufacturer Part Number=ERJ-2BSFR10X, Package=0402, Supplier Part Number 1=667-ERJ-2BSFR10X, Tolerance=1%, Supplier 1=Mouser
R10 R33A R33B R33C R33D: library part "RES 680K OHM 1% 1/16W 0402", Manufacturer=Yageo, Manufacturer Part Number=RC0402FR-07681KL, Package=0402, Supplier Part Number 1=603-RC0402FR-07680KL, Tolerance=1%, Supplier 1=Mouser
R11 R32A R32B R32C R32D: library part "RES 300K OHM 1% 1/10W 0402", Manufacturer=Panasonic, Manufacturer Part Number=ERJ-2RKF3003X, Package=0402, Supplier Part Number 1=667-ERJ-2RKF3003X, Tolerance=1%, Supplier 1=Mouser